# Altium PCB Main.PcbDoc (part 1 of 5) (continued)
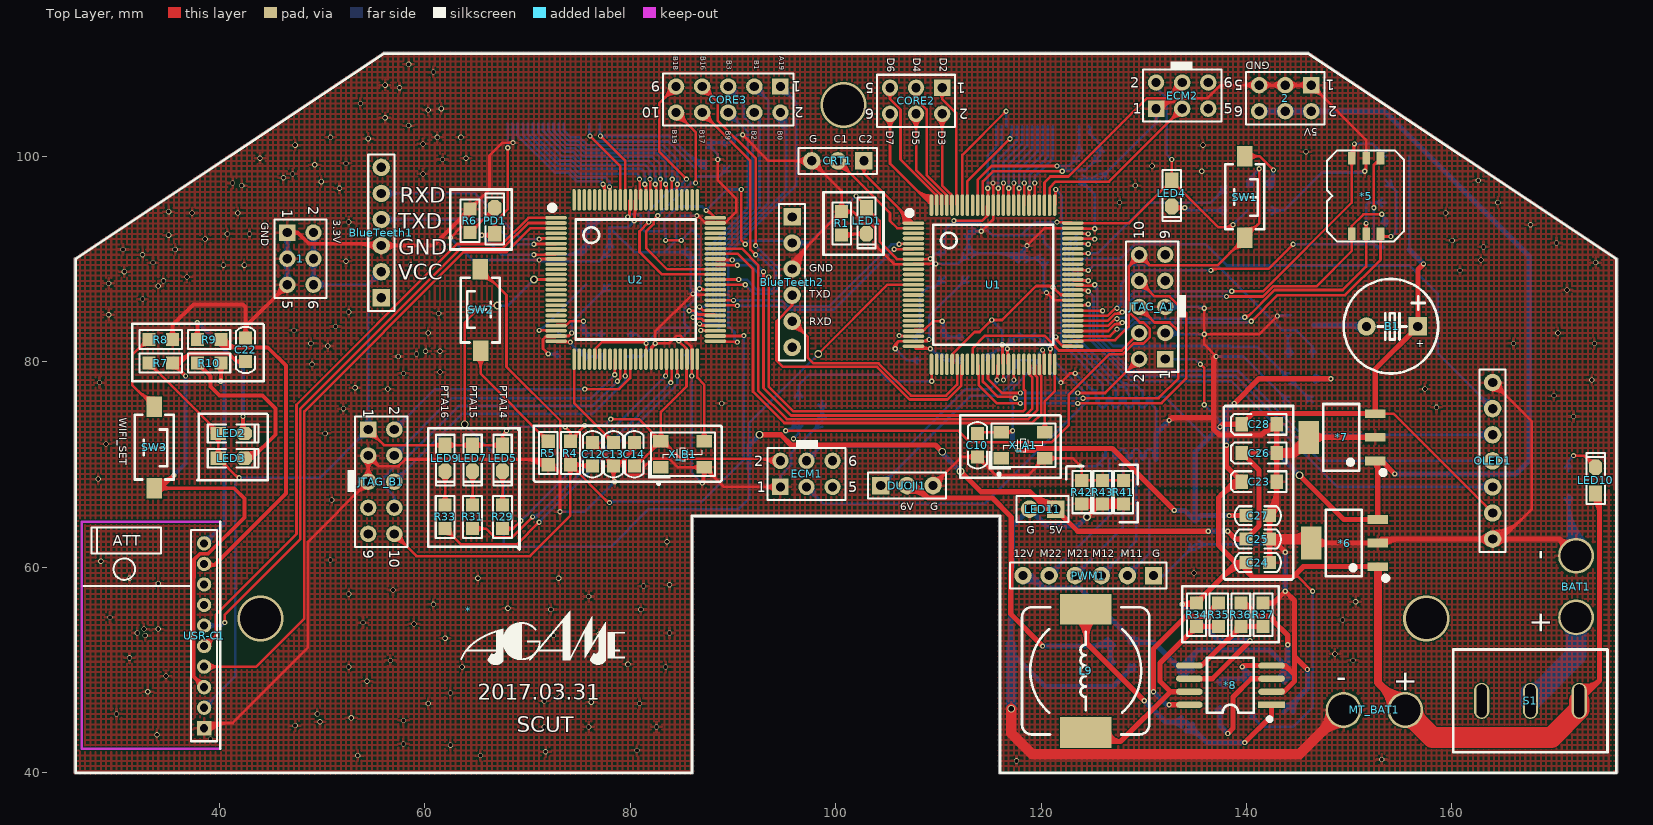
[diagram p0: Top Layer view]
## Nets (pads, with @x,y where several pads share a name; then routed paths per layer and width w, separated by ;. In a path a pad name is that pad's centre, name@x,y a point inside that pad or via, vN(x,y) a via of type N, cw(c..) or ccw(c..) an arc to the next point about the centre after c; other vN are vias at no path point) (continued)
  Top Layer w0.508: v1(117.729,71.374) 119.257,71.374 119.449,71.566 126.935,71.566 v1(132.969,65.532) ; v1(137.414,73.66) 137.668,73.914 C28.1@139.524,73.914 140.578,74.968 152.503,74.968 *7.3@152.527,74.944 152.527,79.288 B1.1@156.678,83.439 156.678,88.987 v1(157.226,89.535) ; v1(138.303,65.024) C27.2@139.954,65.024
  Bottom Layer w0.254: USR-C1.2@38.506,46.323 41.523,49.34 41.523,68.32 v1(41.91,68.707) 49.784,68.707 JTAG_B1.1@54.483,73.406 54.483,87.503 ; USR-C1.2@38.506,46.641 ccw(c38.506,47.407) 39.048,46.865 ccw(c39.59,46.323) USR-C1.2@38.824,46.323 ; USR-C1.2@38.506,46.895 ccw(c38.506,48.274) 39.482,47.299 ccw(c40.458,46.323) USR-C1.2@39.078,46.323 ; v1@41.783,68.707 cw(c41.476,68.707) 41.693,68.49 cw(c41.91,68.273) v1@41.91,68.58 ; v1@42,68.617 cw(c42.217,68.4) 42.217,68.707 cw(c42.217,69.014) v1@42,68.797 ; 1.6@48.673,87.979 ccw(c47.524,89.128) 49.149,89.128 ccw(c50.774,89.128) 49.625,87.979 ccw(c50.774,89.128) 50.774,87.503 ccw(c50.774,85.878) 1.6@49.625,87.027 ; 1.4@48.673,89.567 cw(c47.524,88.418) 49.149,88.418 cw(c50.774,88.418) 1.4@49.625,89.567 ; 1.4@48.673,90.519 ccw(c47.524,91.668) 49.149,91.668 ccw(c50.774,91.668) 1.4@49.625,90.519 ; 1.2@48.673,92.107 cw(c47.524,90.958) 49.149,90.958 cw(c50.774,90.958) 1.2@49.625,92.107 ; 1.6@48.853,87.799 ccw(c48.137,88.515) 49.149,88.515 ccw(c50.161,88.515) 49.445,87.799 ccw(c50.161,88.515) 50.161,87.503 ccw(c50.161,86.491) 1.6@49.445,87.207 ; 1.4@48.853,89.747 cw(c48.137,89.031) 49.149,89.031 cw(c50.161,89.031) 1.4@49.445,89.747 ; 1.4@48.853,90.339 ccw(c48.137,91.055) 49.149,91.055 ccw(c50.161,91.055) 1.4@49.445,90.339 ; 1.2@48.853,92.287 cw(c48.137,91.571) 49.149,91.571 cw(c50.161,91.571) 1.2@49.445,92.287 ; 1.2@49.149,92.583 1.4@49.149,90.043 1.6@49.149,87.503 54.483,87.503 ; JTAG_B1.1@53.81,73.406 cw(c52.185,73.406) 53.334,72.257 cw(c54.483,71.108) JTAG_B1.1@54.483,72.733 ; JTAG_B1.1@54.007,73.882 ccw(c52.858,75.031) 54.483,75.031 ccw(c56.108,75.031) JTAG_B1.1@54.959,73.882 ; JTAG_B1.1@54.064,73.406 cw(c53.052,73.406) 53.768,72.691 cw(c54.483,71.975) JTAG_B1.1@54.483,72.987 ; JTAG_B1.1@54.187,73.702 ccw(c53.471,74.418) 54.483,74.418 ccw(c55.495,74.418) JTAG_B1.1@54.779,73.702 ; BlueTeeth1.2@55.03,88.773 cw(c53.285,88.773) 54.519,87.539 cw(c55.753,86.305) BlueTeeth1.2@55.753,88.05 ; BlueTeeth1.2@55.284,88.773 cw(c54.152,88.773) 54.952,87.972 cw(c55.753,87.172) BlueTeeth1.2@55.753,88.304 ; BlueTeeth1.2@55.753,88.773 54.483,87.503 ; v1@65.532,92.202 cw(c65.532,91.895) 65.749,92.112 cw(c65.966,92.329) v1@65.659,92.329 ; v1(65.532,92.329) 67.437,90.424 v1(70.612,90.424) 75.311,90.424 C20.2@75.692,90.805 ; v1(67.945,73.279) 68.326,73.66 v1(73.66,73.66) ; v1@67.945,73.406 ccw(c67.945,73.713) 68.162,73.496 ccw(c68.379,73.279) v1@68.072,73.279 ; v1@67.982,100.928 ccw(c67.765,101.145) 68.072,101.145 ccw(c68.379,101.145) v1@68.162,100.928 ; *2.3@68.005,102.651 cw(c67.842,102.488) 68.072,102.488 ; *2.3@68.021,103.167 68.072,103.116 v1(68.072,100.838) ; v1@70.522,90.334 ccw(c70.305,90.117) 70.305,90.424 ccw(c70.305,90.731) v1@70.522,90.514 ; v1@70.702,90.334 cw(c70.919,90.117) 70.919,90.424 cw(c70.919,90.731) v1@70.702,90.514 ; 73.546,90.424 ccw(c73.546,92.951) 75.333,91.164 ccw(c74.466,92.031) 75.692,92.031 ccw(c76.918,92.031) C20.2@76.051,91.164 ; v1@73.57,73.57 ccw(c73.353,73.353) 73.353,73.66 ccw(c73.353,73.967) v1@73.57,73.75 ; 74.159,90.424 ccw(c74.159,92.338) C20.2@75.512,90.985 ; 74.772,90.424 ccw(c74.772,91.725) C20.2@75.692,90.805 ; C19.2@75.333,92.732 cw(c74.466,91.865) 75.692,91.865 cw(c76.918,91.865) C19.2@76.051,92.732 ; v1(75.565,73.787) 77.47,73.787 v1(78.105,74.422) ; C19.2@75.624,92.846 ccw(c75.817,93.54) C19.2@76.327,93.031 ; v1@75.655,73.697 cw(c75.872,73.48) 75.872,73.787 cw(c75.872,74.094) v1@75.655,73.877 ; C19.2@75.76,93.336 ccw(c76.086,94.501) 76.942,93.646 ; C19.2@75.829,93.58 ccw(c76.22,94.982) 77.249,93.953 ; C19.2@76.176,92.937 cw(c76.387,92.87) 76.387,93.091 ; C19.2@76.176,93.245 ccw(c76.387,93.312) 76.387,93.091 ; 76.634,93.338 cw(c75.952,94.021) C19.2@75.692,93.091 ; v1@77.978,74.422 cw(c77.671,74.422) 77.888,74.205 cw(c78.105,73.988) v1@78.105,74.295 ; L5.1@79.756,82.677 80.645,82.677 ; L5.1@80.032,82.414 cw(c80.645,81.83) 80.645,82.677 ; L5.1@80.032,82.94 ccw(c80.645,83.524) 80.645,82.677 ; v1@81.407,81.788 ccw(c81.1,81.788) 81.317,82.005 ccw(c81.534,82.222) 81.534,81.915 ccw(c81.534,82.222) 81.751,82.005 ccw(c81.968,81.788) v1@81.661,81.788 ; v1(83.439,91.821) 83.439,92.837 C18.2@83.312,92.964 ; v1(84.709,82.042) 85.725,83.058 C15.2@85.725,83.312 ; v1(84.963,91.821) 85.903,92.761 C17.2@85.903,92.964 86.765,92.102 86.765,87.146 v1(86.741,87.122) 86.587,86.968 86.587,86.415 85.616,85.444 85.526,85.444 85.244,85.162 85.244,83.793 C15.2@85.725,83.312 ; 86.587,86.444 cw(c87.419,86.444) v1@86.831,87.032 ; v1@86.651,87.212 ccw(c86.377,87.486) 86.765,87.486 ; v1@87.249,94.742 ccw(c86.942,94.742) 87.159,94.959 ccw(c87.376,95.176) 87.376,94.869 ccw(c87.376,95.176) 87.593,94.959 ccw(c87.81,94.742) v1@87.503,94.742 ; v1(90.805,96.774) 89.408,96.774 v1(87.376,94.742) 86.995,95.123 84.582,95.123 83.312,93.853 C18.2@83.312,92.964 ; v1(91.186,91.44) 91.54,91.794 95.531,91.794 BlueTeeth2.2@95.758,91.567 97.409,91.567 ; BlueTeeth2.2@96.289,91.077 cw(c97.409,90.044) 97.409,91.567 ; BlueTeeth2.2@96.289,92.057 ccw(c97.409,93.09) 97.409,91.567 ; v1(101.981,96.139) 97.409,91.567 ; v1(109.22,90.043) 109.728,90.551 ; C2.2@110.179,90.293 ccw(c109.728,90.027) 109.728,90.551 ; C2.2@110.179,90.809 cw(c109.728,91.075) 109.728,90.551 ; v1@111.596,93.816 ccw(c112.184,94.404) 112.184,93.572 ; L1.1@114.681,82.423 115.443,81.661 v1(116.205,81.661) 116.205,83.058 v1(115.189,84.074) ; v1(114.808,96.901) 114.808,100.076 115.646,100.914 *1.3@115.646,102.913 ; v1@116.115,81.571 ccw(c115.898,81.354) 115.898,81.661 ccw(c115.898,81.968) 116.115,81.751 ccw(c115.898,81.968) 116.205,81.968 ccw(c116.512,81.968) v1@116.295,81.751 ; v1(116.332,78.232) 117.475,79.375 C3.2@117.475,80.137 C4.2@119.761,80.137 119.761,80.772 v1(120.142,81.153) ; v1@117.131,73.369 ccw(c116.914,73.586) 117.221,73.586 ccw(c117.528,73.586) v1@117.311,73.369 ; v1(117.221,73.279) 117.221,76.028 116.994,76.255 116.994,77.198 C4.2@119.761,79.965 ; 117.441,79.341 ccw(c116.734,80.048) C3.2@117.727,80.167 ; 119.206,79.409 ccw(c118.478,80.137) C4.2@119.507,80.137 ; 120.269,91.634 121.131,90.772 121.131,87.276 v1(121.158,87.249) ; 120.516,91.387 cw(c121.199,92.069) C6.2@120.269,92.329 C5.2@118.11,92.329 ; 121.131,87.621 ccw(c121.53,87.621) v1@121.248,87.339 ; v1(121.539,93.599) 119.38,93.599 C5.2@118.11,92.329 ; *3.20@131.191,76.585 132.076,76.585 136.207,72.453 ; ECM2.2@131.191,107.188 131.191,106.702 132.218,105.675 132.218,100.192 v1(132.715,99.695) ; JTAG_A1.1@132.08,80.264 135.001,80.264 v1(135.509,79.756) ; v1(135.89,75.819) 137.414,74.295 v1(137.414,73.66) ; v1@137.324,73.75 ccw(c137.107,73.967) 137.414,73.967 ccw(c137.721,73.967) v1@137.504,73.75 ; v1(138.684,93.345) R2.2@140.081,94.742 ; B1.1@155.829,84.288 B1.1@156.678,83.439 ; R19.1@155.829,90.932 R24.1@155.829,93.218 R25.1@155.829,95.504 R27.1@155.829,97.663 R20.1@155.829,99.949 ; C20.2@75.692,90.805 C19.2@75.692,93.091 ; C19.2@75.692,93.091 76.387,93.091 ; 76.387,93.091 77.249,93.953 ; 77.249,93.953 79.602,93.953 v1(79.756,94.107) 80.01,94.361 80.899,94.361 81.026,94.234 81.026,93.091 81.407,92.71 83.058,92.71 C18.2@83.312,92.964 ; 80.645,82.677 v1(81.534,81.788) 83.058,83.312 C16.2@83.236,83.312 C15.2@85.725,83.312 ; 109.728,90.551 C2.2@110.617,90.551 C7.2@110.617,92.71 110.617,92.837 v1(111.506,93.726) 111.66,93.572 113.991,93.572 115.234,92.329 C5.2@118.11,92.329
  Bottom Layer w0.508: v1(117.221,73.279) 117.221,71.882 v1(117.729,71.374) ; v1(132.969,65.532) 133.985,65.532 C21.2@135.001,64.516 ; v1(137.414,73.66) 136.207,72.453 135.001,71.247 C21.2@135.001,64.516 ; v1(138.303,65.024) 135.509,65.024 C21.2@135.001,64.516 ; R19.1@155.829,90.932 v1(157.226,89.535)
5V: 2.2 2.4 2.6 *6.3 *7.1 C25.2 C26.1 LED11.1 U1.13 U2.13 | length 259.5
  Top Layer w0.254: v3(63.881,73.914) 63.881,83.82 65.532,85.471 v3(67.056,85.471) ; v3(70.612,88.011) U2.13@72.771,88.011 ; v3(98.298,80.772) 105.029,87.503 U1.13@107.569,87.503
  Top Layer w0.508: v3(92.583,72.898) 94.644,72.898 95.633,71.909 109.701,71.909 v3(110.363,71.247) ; v3(112.141,69.342) 114.134,67.349 118.885,67.349 120.575,65.659 LED11.1@121.412,65.659 123.571,63.5 v1(136.271,63.5) ; 118.965,67.268 ccw(c121.412,69.715) LED11.1@121.412,66.255 ; 119.832,66.401 ccw(c121.412,67.981) LED11.1@121.412,65.747 ; v1(138.176,63.5) 138.938,62.738 C25.2@139.954,62.738 141.224,64.008 141.224,69.469 C26.1@139.573,71.12 ; C26.1@139.524,71.12 C26.1@139.573,71.12 ; C25.2@139.685,62.469 ccw(c139.034,61.818) 139.034,62.738 ccw(c139.034,63.658) C25.2@139.685,63.007 ; v3(141.351,71.12) C26.1@139.573,71.12 ; v3(145.161,68.961) 149.465,64.657 *6.3@152.781,64.657 152.781,70.09 *7.1@152.527,70.344 153.176,70.344 v1(154.432,69.088) ; *7.1@152.406,70.223 cw(c151.501,69.318) 152.781,69.318 ; *7.1@153.102,70.173 cw(c153.102,69.582) *7.1@153.52,70
  Bottom Layer w0.254: v3(63.881,73.914) 67.691,70.104 67.691,61.976 78.105,61.976 81.788,65.659 90.551,65.659 91.567,66.675 91.567,69.596 ; v3(67.056,85.471) 68.072,85.471 v3(70.612,88.011) ; 91.567,71.882 91.567,74.041 v3(98.298,80.772)
  Bottom Layer w0.508: 91.567,69.596 91.567,71.882 v3(92.583,72.898) ; v3(110.363,71.247) 110.363,71.12 v3(112.141,69.342) ; v3@110.49,71.247 ccw(c111.103,71.247) 110.67,70.813 ; v1(136.271,63.5) v1(138.176,63.5) ; 2.6@141.224,104.394 2.4@143.764,104.394 2.2@146.304,104.394 153.416,104.394 167.513,90.297 167.513,70.358 166.243,69.088 v1(154.432,69.088) ; v3(141.351,71.12) 143.002,71.12 v3(145.161,68.961) ; 2.6@141.61,104.008 cw(c142.542,103.076) 142.542,104.394 cw(c142.542,105.712) 2.6@141.61,104.78 ; 2.4@143.378,104.008 ccw(c142.446,103.076) 142.446,104.394 ccw(c142.446,105.712) 2.4@143.378,104.78 ; 2.4@144.15,104.008 cw(c145.082,103.076) 145.082,104.394 cw(c145.082,105.712) 2.4@144.15,104.78 ; 2.2@145.918,104.008 ccw(c144.986,103.076) 144.986,104.394 ccw(c144.986,105.712) 2.2@145.918,104.78 ; 2.2@146.69,104.008 cw(c147.622,103.076) 147.622,104.394 cw(c147.622,105.712) 2.2@146.69,104.78
6V: DUOJI1.2 R39.2 R46.2 | length 43.3
  Top Layer w0.508: DUOJI1.2@106.934,67.945 107.771,67.945 108.975,66.741 ; DUOJI1.2@106.949,67.858 cw(c107.206,66.36) 108.281,67.435 ; DUOJI1.2@107.035,67.358 cw(c107.41,65.175) 108.975,66.741 ; v1(120.142,52.324) 117.033,55.433 117.033,59.681 117.094,59.742 117.094,64.897 115.25,66.741 108.975,66.741
  Bottom Layer w0.508: v1(120.142,52.324) 126.365,52.324 R39.2@126.746,52.705 R46.2@126.746,50.419 ; 124.906,52.324 ccw(c124.906,54.545) R39.2@126.477,52.974 ; R39.2@126.133,52.324 ccw(c126.133,53.318) R39.2@126.836,52.615 ; R46.2@126.477,50.688 ccw(c125.826,51.339) 126.746,51.339 ccw(c127.666,51.339) R46.2@127.015,50.688 ; R39.2@126.477,52.436 cw(c125.826,51.785) 126.746,51.785 cw(c127.666,51.785) R39.2@127.015,52.436
12V: C29.1 D1.2 PWM1.6 R36.1 R39.1 | length 65.5
  Top Layer w0.508: R36.1@139.446,56.134 cw(c139.446,54.277) 140.759,55.59 ; R36.1@139.446,56.515 139.834,56.515 141.131,55.218 142.387,55.218 142.594,55.011 142.594,54.764 144.018,53.34 v1(144.018,52.451)
  Bottom Layer w0.508: PWM1.6@118.237,59.182 119.074,59.182 120.278,57.978 ; PWM1.6@118.252,59.095 cw(c118.509,57.597) 119.584,58.672 ; PWM1.6@118.338,58.595 cw(c118.713,56.412) 120.278,57.978 ; R39.1@128.651,52.705 ccw(c127.731,52.705) 128.382,53.355 ccw(c129.032,54.006) R39.1@129.032,53.086 ; R39.1@129.301,52.436 cw(c129.952,51.785) 129.952,52.705 cw(c129.952,53.625) R39.1@129.301,52.974 ; 132.668,50.974 ccw(c134.112,52.418) D1.2@134.112,50.376 ; 133.211,50.431 cw(c132.535,49.755) D1.2@133.491,49.755 ; D1.2@133.73,49.653 cw(c134.776,49.933) 134.011,50.699 ; D1.2@133.815,50.3 ccw(c133.543,50.8) 134.112,50.8 ; D1.2@134.221,49.784 cw(c135.758,50.196) 134.633,51.321 ; D1.2@134.409,50.3 cw(c134.681,50.8) 134.112,50.8 ; D1.2@134.712,49.916 cw(c136.739,50.459) 135.255,51.943 ; C29.1@143.18,49.278 ccw(c142.077,50.381) 143.637,50.381 ccw(c145.197,50.381) C29.1@144.094,49.278 ; C29.1@143.43,49.278 ccw(c142.011,50.697) 144.018,50.697 ; 144.018,50.064 ccw(c145.13,50.064) C29.1@144.344,49.278 ; v1(144.018,52.451) 144.018,49.202 C29.1@143.637,48.821 143.637,50.546 142.24,51.943 135.255,51.943 ; 120.278,57.978 123.759,57.978 R39.1@129.032,52.705 130.937,52.705 D1.2@134.112,49.53 134.112,50.8 ; 134.112,50.8 135.255,51.943
ADC_BAT: R21.2 R26.2 U1.58 | length 35.4
  Top Layer w0.254: U1.58@123.074,85.003 123.114,84.963 v1(125.984,84.963) ; U1.58@123.983,85.037 ccw(c124.161,85.215) 124.161,84.963 ; v1@125.894,84.873 ccw(c125.677,84.656) 125.677,84.963 ccw(c125.677,85.27) v1@125.894,85.053
  Bottom Layer w0.254: v1@125.894,84.873 cw(c125.677,84.656) 125.984,84.656 cw(c126.291,84.656) v1@126.074,84.873 ; v1(125.984,84.963) 125.984,82.55 127,81.534 138.431,81.534 138.492,81.473 141.031,81.473 R21.2@144.145,78.359 R26.2@146.431,76.073 ; R21.2@143.637,78.359 ccw(c142.411,78.359) 143.278,79.226 ccw(c144.145,80.093) R21.2@144.145,78.867 ; R21.2@144.145,77.851 cw(c144.145,76.625) 145.012,77.492 cw(c145.879,78.359) R21.2@144.653,78.359 ; R26.2@145.923,76.073 ccw(c144.697,76.073) 145.564,76.94 ccw(c146.431,77.807) R26.2@146.431,76.581
ADC_CRT_1: CRT1.1 U1.1 | length 13.7
  Top Layer w0.254: CRT1.1@102.387,98.938 cw(c102.043,98.329) 102.743,98.329 ; CRT1.1@102.743,99.568 102.743,98.329 ; CRT1.1@103.099,98.938 ccw(c103.443,98.329) 102.743,98.329 ; 105.994,95.079 cw(c104.418,93.503) U1.1@106.646,93.503 ; 106.427,94.645 cw(c105.285,93.503) U1.1@106.9,93.503 ; 106.861,94.211 cw(c106.152,93.503) U1.1@107.154,93.503 ; 107.294,93.778 cw(c107.02,93.503) U1.1@107.408,93.503 ; U1.1@107.569,93.503 102.743,98.329
ADC_CRT_2: CRT1.2 U1.2 | length 15.1
  Top Layer w0.254: CRT1.2@100.203,98.845 cw(c100.203,97.1) 101.437,98.334 cw(c102.671,99.568) CRT1.2@100.926,99.568 ; CRT1.2@100.203,99.099 cw(c100.203,97.967) 101.004,98.767 cw(c101.804,99.568) CRT1.2@100.672,99.568 ; CRT1.2@100.203,99.568 105.283,94.488 105.283,93.726 106.006,93.003 U1.2@107.569,93.003
AGND: LED11.2 MT_BAT1.2 R41.2 R42.2 R43.2 R46.1 | length 90.4
  Top Layer w0.508: v3(124.46,64.897) 125.73,66.167 R43.2@125.984,66.167
  Top Layer w1.016: v3(117.094,46.228) 117.094,43.815 119.126,41.783 145.13,41.783 MT_BAT1.2@149.448,46.101 ; R42.2@123.952,66.167 R43.2@125.73,66.167 ; R43.2@125.984,66.167 R41.2@128.016,66.167 ; MT_BAT1.2@148.206,46.101 cw(c145.208,46.101) 147.328,43.981 cw(c149.448,41.861) MT_BAT1.2@149.448,44.859
  Bottom Layer w0.508: 117.033,52.451 117.033,59.869 117.221,60.057 117.221,64.008 LED11.2@118.872,65.659 120.523,64.008 123.571,64.008 v3(124.46,64.897) ; 117.094,51.689 120.396,48.387 127,48.387 R46.1@129.032,50.419 ; R46.1@128.651,50.419 cw(c127.731,50.419) 128.382,49.769 cw(c129.032,49.118) R46.1@129.032,50.038
  Bottom Layer w1.016: 117.033,52.451 117.094,52.39 117.094,51.689 v3(117.094,46.228)
  other v2: 117.602,41.148 153.162,41.275 150.368,50.927 148.59,51.562 149.352,54.864 150.622,56.642 134.874,59.436
BT_RXD_A: BlueTeeth2.5 U1.31 | length 27.2
  Top Layer w0.254: BlueTeeth2.5@95.758,83.224 cw(c95.758,81.479) 96.992,82.713 cw(c98.226,83.947) BlueTeeth2.5@96.481,83.947 ; BlueTeeth2.5@95.758,83.478 cw(c95.758,82.346) 96.559,83.146 cw(c97.359,83.947) BlueTeeth2.5@96.227,83.947 ; BlueTeeth2.5@95.758,83.947 97.282,82.423 97.282,80.391 97.817,79.856 104.167,79.856 107.315,76.708 110.744,76.708 111.822,77.786 U1.31@111.822,79.751
BT_RXD_B: BlueTeeth1.5 U2.5 | length 24.3
  Top Layer w0.254: v1(71.12,91.948) 71.183,92.011 U2.5@72.771,92.011 ; v1@71.21,91.858 cw(c71.579,91.489) 71.579,92.011
  Bottom Layer w0.254: BlueTeeth1.5@55.753,96.393 64.897,96.393 69.342,91.948 v1(71.12,91.948) ; BlueTeeth1.5@56.085,96.061 cw(c56.885,95.261) 56.885,96.393 cw(c56.885,97.525) BlueTeeth1.5@56.085,96.725 ; BlueTeeth1.5@56.264,95.882 cw(c57.498,94.648) 57.498,96.393 cw(c57.498,98.138) BlueTeeth1.5@56.264,96.904 ; v1@71.03,91.858 ccw(c70.813,91.641) 70.813,91.948 ccw(c70.813,92.255) v1@71.03,92.038
BT_TXD_A: BlueTeeth2.4 U1.32 | length 30.4
  Top Layer w0.254: BlueTeeth2.4@95.521,85.804 cw(c95.406,85.471) 95.758,85.471 ; BlueTeeth2.4@95.758,86.487 95.758,85.471 ; BlueTeeth2.4@95.995,85.804 ccw(c96.11,85.471) 95.758,85.471 ; 112.224,78.523 cw(c112.674,78.523) U1.32@112.356,78.842 ; U1.32@112.322,79.751 112.224,79.653 112.224,77.68 110.871,76.327 107.188,76.327 104.013,79.502 94.869,79.502 94.234,80.137 94.234,83.947 95.758,85.471
BT_TXD_B: BlueTeeth1.4 U2.6 | length 23.6
  Top Layer w0.254: v1(70.612,91.44) 70.639,91.467 72.727,91.467 U2.6@72.771,91.511 ; v1@70.702,91.35 cw(c70.984,91.068) 70.984,91.467 ; 71.674,91.467 ccw(c71.674,91.733) U2.6@71.862,91.545
  Bottom Layer w0.254: BlueTeeth1.4@55.753,93.853 66.294,93.853 68.707,91.44 v1(70.612,91.44) ; BlueTeeth1.4@56.085,93.521 cw(c56.885,92.721) 56.885,93.853 cw(c56.885,94.985) BlueTeeth1.4@56.085,94.185 ; BlueTeeth1.4@56.264,93.342 cw(c57.498,92.108) 57.498,93.853 cw(c57.498,95.598) BlueTeeth1.4@56.264,94.364 ; v1@70.522,91.35 ccw(c70.305,91.133) 70.305,91.44 ccw(c70.305,91.747) v1@70.522,91.53